# KiCad board antmicro-jetson-agx-csi-adapter.kicad_pcb (continued)
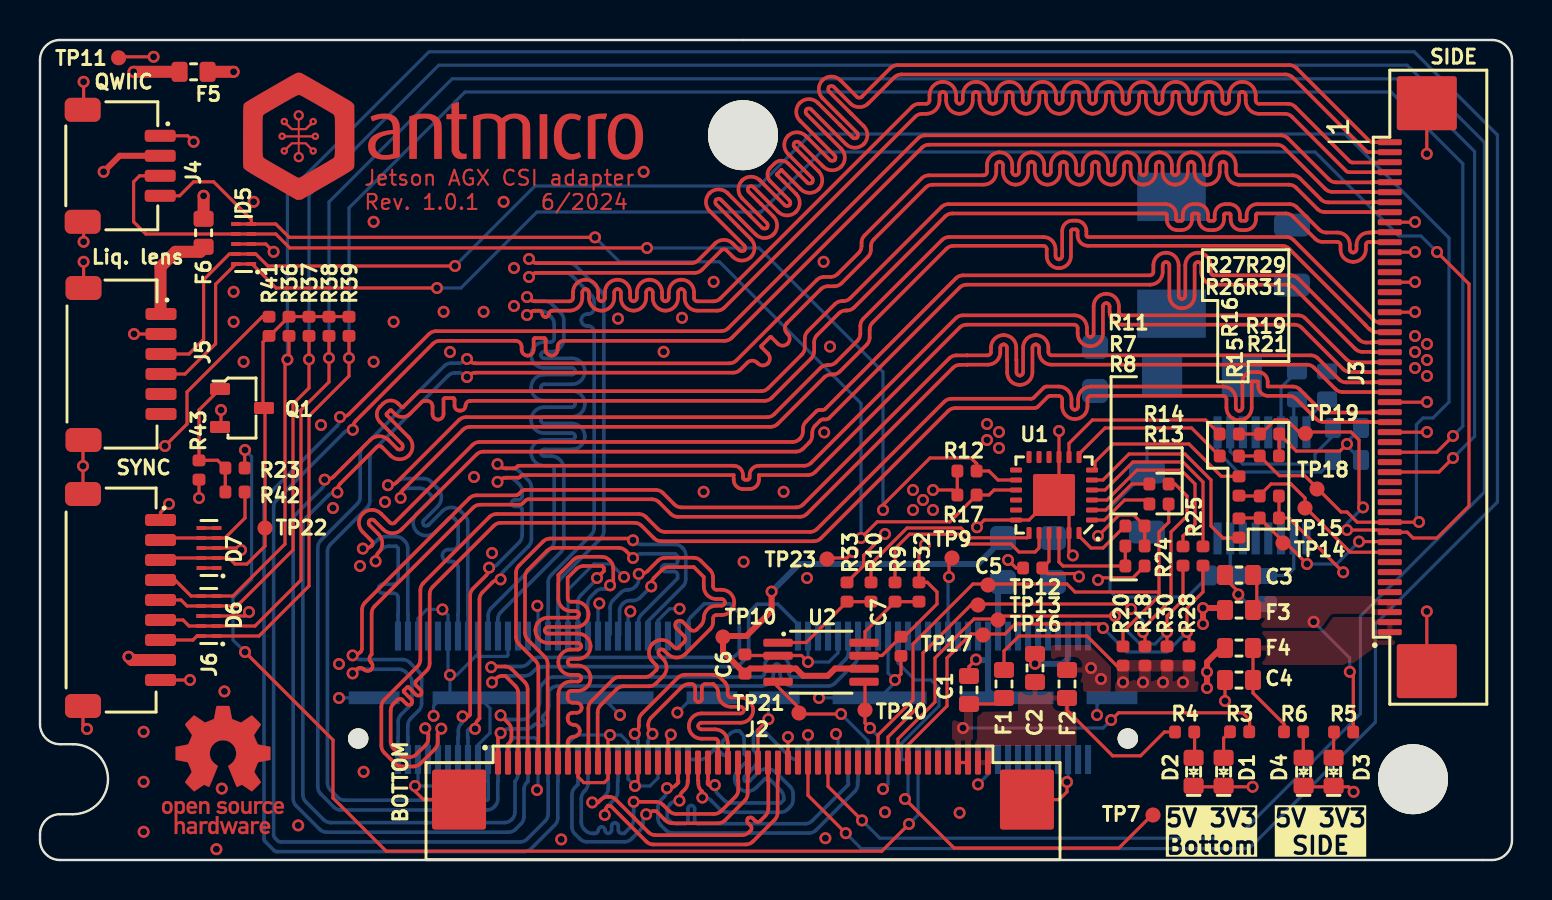
[diagram p0: board, top side]
## Routing (per net, layer and track width the routed paths; a pad name or vN(x,y) marks a point on that pad's centre or on a via; arc(x,y) is an arc through that point) (continued)
/Interface/CSI1_D0_P: length 73.5
  Top w0.182: J3.22 66.59,25.39 66.57,25.41 66.12,25.41 arc(65.93,25.45) 65.77,25.55 62.7,28.62 arc(62.54,28.73) 62.35,28.77 58.69,28.77 arc(58.25,28.95) 58.06,29.4 58.06,29.73 arc(58.01,29.85) 57.9,29.9 arc(57.78,29.85) 57.73,29.73 57.73,28.22 arc(57.55,27.77) 57.1,27.58 arc(56.65,27.77) 56.47,28.22 56.47,29.73 arc(56.42,29.85) 56.3,29.9 arc(56.18,29.85) 56.14,29.73 56.14,29.4 arc(55.95,28.95) 55.5,28.77 46.33,28.77 arc(46.14,28.73) 45.98,28.62 39.45,22.09 arc(39.39,22.05) 39.31,22.03 39.15,22.03 arc(39.08,22.02) 39.01,21.97 38.76,21.72 arc(38.65,21.56) 38.61,21.37 38.61,21.23 arc(38.57,21.04) 38.47,20.88 38.15,20.57 arc(37.99,20.46) 37.8,20.42 22.18,20.42 arc(21.99,20.38) 21.82,20.27 18.08,16.53 arc(17.62,16.34) 17.16,16.53 16.71,16.98 arc(16.59,17.03) 16.48,16.98 arc(16.43,16.86) 16.48,16.74 16.93,16.29 arc(17.12,15.83) 16.93,15.38 arc(16.82,15.21) 16.78,15.02 v1(16.78,14.93)
  Bottom w0.182: J1.2 17.9,12.28 17.91,12.29 17.91,13.11 arc(17.84,13.27) 17.68,13.34 17.14,13.34 arc(16.99,13.4) 16.92,13.56 arc(16.99,13.72) 17.14,13.79 17.68,13.79 arc(17.84,13.85) 17.91,14.01 17.91,15.59 17.81,15.69 17.45,15.69 arc(17.26,15.65) 17.09,15.54 16.93,15.38 arc(16.82,15.21) 16.78,15.02 v1(16.78,14.93)
/Interface/CSI1_D1_N: length 73.4
  Top w0.182: v1(17.4,18.74) 17.48,18.74 arc(17.68,18.78) 17.84,18.89 20.95,21.99 arc(21.11,22.1) 21.3,22.14 36.35,22.14 arc(36.55,22.18) 36.71,22.29 39.02,24.6 arc(39.18,24.7) 39.37,24.74 39.45,24.74 arc(39.64,24.78) 39.8,24.89 40.87,25.96 arc(40.98,26.12) 41.02,26.31 41.02,26.71 arc(41.06,26.9) 41.16,27.06 45.1,31 arc(45.27,31.11) 45.46,31.15 50.17,31.15 arc(50.6,30.97) 50.78,30.54 50.78,30.2 arc(50.82,30.08) 50.94,30.03 arc(51.06,30.08) 51.11,30.2 51.11,31.45 arc(51.26,31.82) 51.63,31.97 51.8,31.97 arc(52.17,31.82) 52.32,31.45 52.32,31.23 arc(52.34,31.17) 52.4,31.15 62.32,31.15 arc(62.51,31.11) 62.68,31 66.66,27.02 arc(66.82,26.91) 67.01,26.87
  Bottom w0.182: v1(17.4,18.74) 17.48,18.74 arc(17.68,18.78) 17.84,18.89 17.88,18.92 arc(18.04,19.03) 18.23,19.07 19.19,19.07 arc(19.38,19.03) 19.55,18.92 19.88,18.59 arc(20.07,18.13) 19.88,17.67 19.19,16.98 arc(19.14,16.87) 19.19,16.75 arc(19.31,16.7) 19.42,16.75 20.12,17.44 arc(20.57,17.63) 21.03,17.44 21.24,17.23 arc(21.35,17.07) 21.39,16.87 21.39,12.29 21.4,12.28 J1.16
/Interface/CSI1_D1_P: length 73.4
  Top w0.182: J3.20 66.84,26.39 arc(66.65,26.43) 66.48,26.54 66.48,26.54 66.47,26.54 66.27,26.74 66.27,26.75 62.46,30.56 arc(62.29,30.67) 62.1,30.71 52.4,30.71 arc(52.03,30.86) 51.88,31.23 51.88,31.45 arc(51.86,31.51) 51.8,31.53 51.63,31.53 arc(51.57,31.51) 51.55,31.45 51.55,30.2 arc(51.37,29.77) 50.94,29.59 arc(50.51,29.77) 50.34,30.2 50.34,30.54 arc(50.29,30.66) 50.17,30.71 45.68,30.71 arc(45.49,30.67) 45.32,30.56 41.63,26.87 arc(41.52,26.71) 41.48,26.52 41.48,26.12 arc(41.44,25.93) 41.34,25.77 39.99,24.42 arc(39.83,24.32) 39.64,24.28 39.56,24.28 arc(39.37,24.24) 39.21,24.13 36.88,21.81 arc(36.72,21.7) 36.53,21.66 21.5,21.66 arc(21.31,21.62) 21.14,21.51 18.18,18.55 arc(18.07,18.38) 18.03,18.19 v1(18.03,18.1)
  Bottom w0.182: v1(18.03,18.1) 18.03,18.4 18.07,18.44 arc(18.24,18.55) 18.43,18.59 18.99,18.59 arc(19.18,18.55) 19.35,18.44 19.54,18.25 arc(19.59,18.13) 19.54,18.01 18.85,17.32 arc(18.66,16.87) 18.85,16.41 arc(19.31,16.22) 19.77,16.41 20.46,17.1 arc(20.57,17.15) 20.69,17.1 20.76,17.03 arc(20.87,16.87) 20.91,16.67 20.91,15.82 arc(20.82,15.61) 20.61,15.52 20.42,15.52 arc(20.21,15.43) 20.12,15.22 arc(20.21,15.01) 20.42,14.92 20.61,14.92 arc(20.82,14.83) 20.91,14.62 20.91,12.29 20.9,12.28 J1.14
/Interface/CSI2_CLK_N: length 100.5
  Top w0.182: v1(14.23,19.02) 14.32,19.02 arc(14.51,19.06) 14.67,19.16 16.51,21 arc(16.97,21.19) 17.43,21 17.86,20.56 arc(17.98,20.52) 18.1,20.56 arc(18.15,20.68) 18.1,20.8 16.99,21.9 arc(16.84,22.28) 16.99,22.66 17.15,22.82 arc(17.53,22.98) 17.91,22.82 18.08,22.65 arc(18.12,22.63) 18.16,22.65 18.89,23.38 arc(18.96,23.43) 19.03,23.44 36.05,23.44 arc(36.25,23.48) 36.41,23.59 38.09,25.27 arc(38.2,25.44) 38.24,25.63 38.24,26.08 arc(38.28,26.27) 38.39,26.44 39.75,27.8 arc(39.91,27.9) 40.1,27.94 40.16,27.94 arc(40.35,27.98) 40.51,28.09 45.07,32.65 arc(45.23,32.75) 45.42,32.79 56.27,32.79 arc(56.65,32.64) 56.81,32.26 56.81,32.03 arc(56.83,31.98) 56.87,31.96 57.07,31.96 arc(57.12,31.98) 57.14,32.03 57.14,32.26 arc(57.29,32.64) 57.67,32.79 57.87,32.79 arc(58.25,32.64) 58.4,32.26 58.4,32.03 arc(58.42,31.98) 58.47,31.96 58.67,31.96 arc(58.71,31.98) 58.73,32.03 58.73,32.26 arc(58.89,32.64) 59.27,32.79 59.47,32.79 arc(59.84,32.64) 60,32.26 60,32.03 arc(60.02,31.98) 60.06,31.96 60.26,31.96 arc(60.31,31.98) 60.33,32.03 60.33,32.26 arc(60.49,32.64) 60.86,32.79 62.48,32.79 arc(62.67,32.75) 62.83,32.65 63.96,31.52 arc(64.12,31.41) 64.31,31.37 64.88,31.37 arc(65.31,31.19) 65.49,30.76 65.49,30.52 arc(65.54,30.42) 65.64,30.37 65.68,30.37 arc(65.78,30.42) 65.82,30.52 65.82,30.76 arc(66.01,31.19) 66.44,31.37 66.57,31.37 66.59,31.39 J3.10
  Bottom w0.182: v1(14.23,19.02) 14.23,18.93 arc(14.19,18.74) 14.09,18.58 12.81,17.3 arc(12.7,17.13) 12.66,16.94 12.66,3.07 arc(12.7,2.88) 12.81,2.71 13.98,1.54 arc(14.14,1.43) 14.34,1.39 23.42,1.39 arc(23.62,1.43) 23.78,1.54 24.05,1.81 arc(24.16,1.97) 24.2,2.17 24.2,3.53 arc(24.24,3.72) 24.35,3.88 24.4,3.94 J1.27
/Interface/CSI2_CLK_P: length 100.5
  Top w0.182: J3.11 66.59,30.89 66.57,30.91 66.44,30.91 arc(66.33,30.86) 66.29,30.76 66.29,30.52 arc(66.11,30.09) 65.68,29.91 65.64,29.91 arc(65.21,30.09) 65.03,30.52 65.03,30.76 arc(64.98,30.86) 64.88,30.91 64.12,30.91 arc(63.93,30.95) 63.77,31.05 62.64,32.18 arc(62.48,32.29) 62.29,32.33 60.86,32.33 arc(60.82,32.31) 60.8,32.26 60.8,32.03 arc(60.64,31.65) 60.26,31.49 60.06,31.49 arc(59.69,31.65) 59.53,32.03 59.53,32.26 arc(59.51,32.31) 59.47,32.33 59.27,32.33 arc(59.22,32.31) 59.2,32.26 59.2,32.03 arc(59.04,31.65) 58.67,31.49 58.47,31.49 arc(58.09,31.65) 57.94,32.03 57.94,32.26 arc(57.92,32.31) 57.87,32.33 57.67,32.33 arc(57.62,32.31) 57.6,32.26 57.6,32.03 arc(57.45,31.65) 57.07,31.49 56.87,31.49 arc(56.5,31.65) 56.34,32.03 56.34,32.26 arc(56.32,32.31) 56.27,32.33 45.61,32.33 arc(45.42,32.29) 45.26,32.18 40.7,27.62 arc(40.54,27.52) 40.35,27.48 40.29,27.48 arc(40.1,27.44) 39.94,27.33 38.85,26.24 arc(38.74,26.08) 38.71,25.89 38.71,25.43 arc(38.67,25.24) 38.56,25.08 36.58,23.11 arc(36.42,23) 36.23,22.96 21.52,22.96 arc(21.35,22.89) 21.28,22.71 arc(21.2,22.54) 21.03,22.47 20.97,22.47 arc(20.8,22.54) 20.73,22.71 20.73,23.03 arc(20.71,23.08) 20.66,23.1 20.25,23.1 arc(20.2,23.08) 20.18,23.03 20.18,22.29 arc(20.1,22.1) 19.9,22.02 arc(19.71,22.1) 19.63,22.29 19.63,22.68 arc(19.55,22.88) 19.35,22.96 19.23,22.96 arc(19.16,22.94) 19.09,22.9 18.5,22.31 arc(18.12,22.15) 17.74,22.31 17.57,22.48 arc(17.53,22.49) 17.49,22.48 17.33,22.32 arc(17.32,22.28) 17.33,22.24 18.44,21.14 arc(18.63,20.68) 18.44,20.22 arc(17.98,20.03) 17.52,20.22 17.09,20.66 arc(16.97,20.71) 16.85,20.66 15.01,18.82 arc(14.91,18.66) 14.87,18.47 v1(14.87,18.38)
  Bottom w0.182: v1(14.87,18.38) 14.78,18.38 arc(14.59,18.34) 14.43,18.24 13.29,17.1 arc(13.18,16.93) 13.14,16.74 13.14,3.27 arc(13.18,3.08) 13.29,2.91 14.18,2.02 arc(14.35,1.91) 14.54,1.87 23.22,1.87 arc(23.41,1.91) 23.58,2.02 23.6,2.04 arc(23.71,2.21) 23.75,2.4 23.75,3.93 23.75,3.93 arc(23.86,4.09) 23.9,4.28 J1.25
/Interface/CSI2_D0_N: length 100.4
  Top w0.182: J3.7 66.59,32.89 66.58,32.88 64.41,32.88 arc(64.21,32.92) 64.05,33.03 62.99,34.09 arc(62.83,34.19) 62.64,34.23 59.95,34.23 arc(59.83,34.28) 59.78,34.4 59.78,34.75 arc(59.6,35.2) 59.15,35.38 arc(58.71,35.2) 58.52,34.75 58.52,34.4 arc(58.47,34.28) 58.36,34.23 arc(58.24,34.28) 58.19,34.4 58.19,34.75 arc(58,35.2) 57.56,35.38 arc(57.11,35.2) 56.93,34.75 56.93,34.4 arc(56.88,34.28) 56.76,34.23 arc(56.64,34.28) 56.59,34.4 56.59,34.75 arc(56.41,35.2) 55.96,35.38 arc(55.51,35.2) 55.33,34.75 55.33,34.4 arc(55.28,34.28) 55.16,34.23 arc(55.05,34.28) 55,34.4 55,34.75 arc(54.81,35.2) 54.37,35.38 arc(53.92,35.2) 53.73,34.75 53.73,34.4 arc(53.68,34.28) 53.57,34.23 arc(53.45,34.28) 53.4,34.4 53.4,34.75 arc(53.22,35.2) 52.77,35.38 arc(52.32,35.2) 52.14,34.75 52.14,34.4 arc(52.09,34.28) 51.97,34.23 arc(51.85,34.28) 51.81,34.4 51.81,34.75 arc(51.62,35.2) 51.17,35.38 arc(50.73,35.2) 50.54,34.75 50.54,34.4 arc(50.49,34.28) 50.38,34.23 arc(50.26,34.28) 50.21,34.4 50.21,34.75 arc(50.02,35.2) 49.58,35.38 arc(49.13,35.2) 48.94,34.75 48.94,34.4 arc(48.9,34.28) 48.78,34.23 arc(48.66,34.28) 48.61,34.4 48.61,34.75 arc(48.43,35.2) 47.98,35.38 arc(47.53,35.2) 47.35,34.75 47.35,34.4 arc(47.3,34.28) 47.18,34.23 44.44,34.23 arc(44.25,34.19) 44.09,34.09 41.22,31.22 arc(41.12,31.06) 41.08,30.87 41.08,30.7 arc(41.04,30.51) 40.93,30.35 39.88,29.3 arc(39.72,29.19) 39.53,29.15 39.2,29.15 arc(39.01,29.11) 38.85,29.01 34.82,24.98 arc(34.66,24.87) 34.47,24.83 21.77,24.83 arc(21.58,24.87) 21.42,24.98 v1(21.35,25.05)
  Bottom w0.182: J1.21 22.9,3.94 22.89,3.93 22.89,3.05 arc(22.85,2.85) 22.74,2.69 22.7,2.65 arc(22.54,2.54) 22.34,2.5 15.05,2.5 arc(14.85,2.54) 14.69,2.65 14.04,3.3 arc(13.93,3.47) 13.89,3.66 13.89,15.62 arc(13.93,15.81) 14.04,15.98 15.86,17.8 arc(15.97,17.97) 16.01,18.16 16.01,20.29 arc(16.05,20.48) 16.16,20.65 20.2,24.69 arc(20.37,24.8) 20.56,24.84 20.93,24.84 arc(21.13,24.88) 21.29,24.99 v1(21.35,25.05)
/Interface/CSI2_D0_P: length 100.3
  Top w0.182: J3.8 66.59,32.39 66.58,32.4 64.23,32.4 arc(64.04,32.44) 63.88,32.55 62.8,33.62 arc(62.64,33.73) 62.45,33.77 59.95,33.77 arc(59.5,33.95) 59.32,34.4 59.32,34.75 arc(59.27,34.87) 59.15,34.92 arc(59.04,34.87) 58.99,34.75 58.99,34.4 arc(58.8,33.95) 58.36,33.77 arc(57.91,33.95) 57.72,34.4 57.72,34.75 arc(57.67,34.87) 57.56,34.92 arc(57.44,34.87) 57.39,34.75 57.39,34.4 arc(57.21,33.95) 56.76,33.77 arc(56.31,33.95) 56.13,34.4 56.13,34.75 arc(56.08,34.87) 55.96,34.92 arc(55.84,34.87) 55.8,34.75 55.8,34.4 arc(55.61,33.95) 55.16,33.77 arc(54.72,33.95) 54.53,34.4 54.53,34.75 arc(54.48,34.87) 54.37,34.92 arc(54.25,34.87) 54.2,34.75 54.2,34.4 arc(54.01,33.95) 53.57,33.77 arc(53.12,33.95) 52.94,34.4 52.94,34.75 arc(52.89,34.87) 52.77,34.92 arc(52.65,34.87) 52.6,34.75 52.6,34.4 arc(52.42,33.95) 51.97,33.77 arc(51.52,33.95) 51.34,34.4 51.34,34.75 arc(51.29,34.87) 51.17,34.92 arc(51.06,34.87) 51.01,34.75 51.01,34.4 arc(50.82,33.95) 50.38,33.77 arc(49.93,33.95) 49.74,34.4 49.74,34.75 arc(49.69,34.87) 49.58,34.92 arc(49.46,34.87) 49.41,34.75 49.41,34.4 arc(49.23,33.95) 48.78,33.77 arc(48.33,33.95) 48.15,34.4 48.15,34.75 arc(48.1,34.87) 47.98,34.92 arc(47.86,34.87) 47.81,34.75 47.81,34.4 arc(47.63,33.95) 47.18,33.77 44.63,33.77 arc(44.44,33.73) 44.28,33.62 41.69,31.03 arc(41.58,30.87) 41.54,30.68 41.54,30.51 arc(41.5,30.32) 41.4,30.16 40.07,28.83 arc(39.91,28.73) 39.72,28.69 39.39,28.69 arc(39.2,28.65) 39.04,28.54 37.34,26.85 arc(37.24,26.6) 37.34,26.35 37.38,26.31 arc(37.48,26.07) 37.38,25.82 arc(37.13,25.72) 36.89,25.82 36.57,26.14 arc(36.53,26.15) 36.5,26.14 36.07,25.71 arc(36.06,25.68) 36.07,25.64 36.39,25.32 arc(36.49,25.08) 36.39,24.83 arc(36.14,24.73) 35.9,24.83 35.86,24.87 arc(35.61,24.97) 35.36,24.87 35.01,24.51 arc(34.85,24.41) 34.66,24.37 21.77,24.37 arc(21.58,24.33) 21.42,24.22 v1(21.35,24.15)
  Bottom w0.182: J1.19 22.4,3.94 22.41,3.93 22.41,3.04 22.36,2.99 15.24,2.99 arc(15.05,3.03) 14.88,3.14 14.52,3.5 arc(14.41,3.67) 14.37,3.86 14.37,15.42 arc(14.41,15.61) 14.52,15.78 16.34,17.6 arc(16.45,17.77) 16.49,17.96 16.49,20.09 arc(16.53,20.28) 16.64,20.45 20.4,24.21 arc(20.57,24.32) 20.76,24.36 20.93,24.36 arc(21.13,24.32) 21.29,24.21 v1(21.35,24.15)
/Interface/CSI2_D1_N: length 100.5
  Top w0.182: v1(15,22.15) 15.09,22.15 arc(15.28,22.19) 15.44,22.29 19.44,26.29 arc(19.61,26.4) 19.8,26.44 34.05,26.44 arc(34.25,26.48) 34.41,26.59 43.91,36.09 arc(44.07,36.19) 44.26,36.23 62.04,36.23 arc(62.23,36.19) 62.39,36.09 64.45,34.03 arc(64.61,33.92) 64.81,33.88 66.58,33.88 66.59,33.89 J3.5
  Bottom w0.182: J1.33 25.9,3.94 25.89,3.93 25.89,2.11 arc(25.85,1.91) 25.74,1.75 24.56,0.57 arc(24.39,0.46) 24.2,0.42 11.84,0.42 arc(11.77,0.43) 11.7,0.48 11.26,0.92 arc(11.21,0.99) 11.2,1.06 11.2,17.84 arc(11.24,18.03) 11.35,18.2 14.86,21.71 arc(14.96,21.87) 15,22.06 v1(15,22.15)
/Interface/CSI2_D1_P: length 100.5
  Top w0.182: v1(15.64,21.51) 15.64,21.6 arc(15.68,21.79) 15.78,21.95 19.64,25.81 arc(19.81,25.92) 20,25.96 23.78,25.96 arc(23.99,25.87) 24.08,25.66 24.08,25.52 arc(24.17,25.31) 24.38,25.22 arc(24.59,25.31) 24.68,25.52 24.68,26.03 arc(24.7,26.08) 24.75,26.1 25.21,26.1 arc(25.26,26.08) 25.28,26.03 25.28,25.52 arc(25.37,25.31) 25.58,25.22 arc(25.79,25.31) 25.88,25.52 25.88,25.66 arc(25.97,25.87) 26.18,25.96 34.23,25.96 arc(34.42,26) 34.58,26.11 44.1,35.62 arc(44.26,35.73) 44.45,35.77 61.85,35.77 arc(62.04,35.73) 62.2,35.62 64.27,33.55 arc(64.43,33.45) 64.62,33.41 66.57,33.41 66.59,33.39 J3.6
  Bottom w0.182: J1.31 25.4,3.94 25.41,3.93 25.41,2.31 arc(25.37,2.11) 25.26,1.95 24.36,1.05 arc(24.19,0.94) 24,0.9 12.03,0.9 arc(11.96,0.92) 11.89,0.96 11.74,1.11 arc(11.7,1.17) 11.68,1.25 11.68,2.33 11.68,17.64 arc(11.72,17.83) 11.83,18 15.2,21.37 arc(15.36,21.47) 15.55,21.51 v1(15.64,21.51)
/Interface/CSI3_D0_N: length 100.4
  Top w0.182: 67.02,34.87 65.63,34.87 arc(65.55,34.89) 65.49,34.93 62.76,37.66 arc(62.59,37.77) 62.4,37.81 60.95,37.81 arc(60.83,37.86) 60.78,37.98 60.78,38.24 arc(60.59,38.71) 60.12,38.91 arc(59.65,38.71) 59.45,38.24 59.45,37.98 arc(59.4,37.86) 59.29,37.81 arc(59.17,37.86) 59.12,37.98 59.12,38.24 arc(58.92,38.71) 58.45,38.91 arc(57.98,38.71) 57.79,38.24 57.79,37.98 arc(57.74,37.86) 57.62,37.81 arc(57.5,37.86) 57.46,37.98 57.46,38.24 arc(57.26,38.71) 56.79,38.91 arc(56.32,38.71) 56.12,38.24 56.12,37.98 arc(56.08,37.86) 55.96,37.81 arc(55.84,37.86) 55.79,37.98 55.79,38.24 arc(55.6,38.71) 55.13,38.91 arc(54.66,38.71) 54.46,38.24 54.46,37.98 arc(54.41,37.86) 54.29,37.81 arc(54.18,37.86) 54.13,37.98 54.13,38.24 arc(53.93,38.71) 53.46,38.91 arc(52.99,38.71) 52.8,38.24 52.8,37.98 arc(52.75,37.86) 52.63,37.81 arc(52.51,37.86) 52.46,37.98 52.46,38.24 arc(52.27,38.71) 51.8,38.91 arc(51.33,38.71) 51.13,38.24 51.13,37.98 arc(51.08,37.86) 50.97,37.81 arc(50.85,37.86) 50.8,37.98 50.8,38.24 arc(50.6,38.71) 50.13,38.91 arc(49.66,38.71) 49.47,38.24 49.47,37.98 arc(49.42,37.86) 49.3,37.81 arc(49.18,37.86) 49.14,37.98 49.14,38.24 arc(48.94,38.71) 48.47,38.91 arc(48,38.71) 47.8,38.24 47.8,37.98 arc(47.76,37.86) 47.64,37.81 arc(47.52,37.86) 47.47,37.98 47.47,38.24 arc(47.28,38.71) 46.81,38.91 arc(46.34,38.71) 46.14,38.24 46.14,37.98 arc(46.09,37.86) 45.97,37.81 arc(45.86,37.86) 45.81,37.98 45.81,38.24 arc(45.61,38.71) 45.14,38.91 arc(44.67,38.71) 44.48,38.24 44.48,37.98 arc(44.43,37.86) 44.31,37.81 43.96,37.81 arc(43.77,37.77) 43.6,37.66 34.02,28.08 arc(33.86,27.97) 33.67,27.93 32.87,27.93 arc(32.75,27.98) 32.7,28.1 32.7,28.38 arc(32.52,28.83) 32.07,29.02 arc(31.62,28.83) 31.44,28.38 31.44,28.1 arc(31.39,27.98) 31.27,27.93 arc(31.15,27.98) 31.11,28.1 31.11,28.38 arc(30.92,28.83) 30.47,29.02 arc(30.03,28.83) 29.84,28.38 29.84,28.1 arc(29.79,27.98) 29.68,27.93 arc(29.56,27.98) 29.51,28.1 29.51,28.38 arc(29.32,28.83) 28.88,29.02 arc(28.43,28.83) 28.25,28.38 28.25,28.1 arc(28.2,27.98) 28.08,27.93 arc(27.96,27.98) 27.91,28.1 27.91,28.38 arc(27.73,28.83) 27.28,29.02 arc(26.83,28.83) 26.65,28.38 26.65,28.1 arc(26.6,27.98) 26.48,27.93 24.77,27.93 arc(24.58,27.97) 24.42,28.08 v1(24.35,28.15)
  Bottom w0.182: 22.89,11.78 22.89,12.03 arc(22.93,12.22) 23.04,12.39 26.04,15.39 arc(26.15,15.56) 26.19,15.75 26.19,19.55 arc(26,20.01) 25.54,20.2 25.21,20.2 arc(25.09,20.25) 25.04,20.36 arc(25.09,20.48) 25.21,20.53 26.6,20.53 arc(27.05,20.72) 27.24,21.18 27.24,21.18 arc(27.05,21.64) 26.6,21.83 25.21,21.83 arc(25.09,21.88) 25.04,21.99 arc(25.09,22.11) 25.21,22.16 26.6,22.16 arc(27.05,22.35) 27.24,22.81 27.24,22.81 arc(27.05,23.27) 26.6,23.45 25.21,23.45 arc(25.09,23.5) 25.04,23.62 arc(25.09,23.74) 25.21,23.79 26.6,23.79 arc(27.05,23.98) 27.24,24.43 27.24,24.44 arc(27.05,24.89) 26.6,25.08 25.21,25.08 arc(25.09,25.13) 25.04,25.25 arc(25.09,25.37) 25.21,25.42 25.54,25.42 arc(26,25.6) 26.19,26.06 26.19,26.99 arc(26.15,27.18) 26.04,27.35 25.6,27.79 arc(25.43,27.9) 25.24,27.94 24.77,27.94 arc(24.57,27.98) 24.41,28.09 v1(24.35,28.15)
/Interface/CSI3_D0_P: length 100.4
  Top w0.182: v1(24.35,27.25) 24.42,27.32 arc(24.58,27.43) 24.77,27.47 24.96,27.47 arc(25.07,27.42) 25.12,27.31 arc(25.16,27.19) 25.28,27.15 25.29,27.15 arc(25.4,27.19) 25.45,27.31 arc(25.5,27.42) 25.61,27.47 26.48,27.47 arc(26.93,27.65) 27.12,28.1 27.12,28.38 arc(27.16,28.5) 27.28,28.55 arc(27.4,28.5) 27.45,28.38 27.45,28.1 arc(27.63,27.65) 28.08,27.47 arc(28.53,27.65) 28.71,28.1 28.71,28.38 arc(28.76,28.5) 28.88,28.55 arc(28.99,28.5) 29.04,28.38 29.04,28.1 arc(29.23,27.65) 29.68,27.47 arc(30.12,27.65) 30.31,28.1 30.31,28.38 arc(30.36,28.5) 30.47,28.55 arc(30.59,28.5) 30.64,28.38 30.64,28.1 arc(30.82,27.65) 31.27,27.47 arc(31.72,27.65) 31.9,28.1 31.9,28.38 arc(31.95,28.5) 32.07,28.55 arc(32.19,28.5) 32.24,28.38 32.24,28.1 arc(32.42,27.65) 32.87,27.47 33.86,27.47 arc(34.05,27.51) 34.21,27.61 43.76,37.16 arc(43.93,37.27) 44.12,37.31 44.31,37.31 arc(44.78,37.51) 44.98,37.98 44.98,38.24 arc(45.02,38.36) 45.14,38.41 arc(45.26,38.36) 45.31,38.24 45.31,37.98 arc(45.5,37.51) 45.97,37.31 arc(46.44,37.51) 46.64,37.98 46.64,38.24 arc(46.69,38.36) 46.81,38.41 arc(46.92,38.36) 46.97,38.24 46.97,37.98 arc(47.17,37.51) 47.64,37.31 arc(48.11,37.51) 48.3,37.98 48.3,38.24 arc(48.35,38.36) 48.47,38.41 arc(48.59,38.36) 48.64,38.24 48.64,37.98 arc(48.83,37.51) 49.3,37.31 arc(49.77,37.51) 49.97,37.98 49.97,38.24 arc(50.02,38.36) 50.13,38.41 arc(50.25,38.36) 50.3,38.24 50.3,37.98 arc(50.5,37.51) 50.97,37.31 arc(51.44,37.51) 51.63,37.98 51.63,38.24 arc(51.68,38.36) 51.8,38.41 arc(51.92,38.36) 51.96,38.24 51.96,37.98 arc(52.16,37.51) 52.63,37.31 arc(53.1,37.51) 53.3,37.98 53.3,38.24 arc(53.34,38.36) 53.46,38.41 arc(53.58,38.36) 53.63,38.24 53.63,37.98 arc(53.82,37.51) 54.29,37.31 arc(54.76,37.51) 54.96,37.98 54.96,38.24 arc(55.01,38.36) 55.13,38.41 arc(55.24,38.36) 55.29,38.24 55.29,37.98 arc(55.49,37.51) 55.96,37.31 arc(56.43,37.51) 56.62,37.98 56.62,38.24 arc(56.67,38.36) 56.79,38.41 arc(56.91,38.36) 56.96,38.24 56.96,37.98 arc(57.15,37.51) 57.62,37.31 arc(58.09,37.51) 58.29,37.98 58.29,38.24 arc(58.34,38.36) 58.45,38.41 arc(58.57,38.36) 58.62,38.24 58.62,37.98 arc(58.82,37.51) 59.29,37.31 arc(59.76,37.51) 59.95,37.98 59.95,38.24 arc(60,38.36) 60.12,38.41 arc(60.24,38.36) 60.28,38.24 60.28,37.98 arc(60.48,37.51) 60.95,37.31 62.24,37.31 arc(62.43,37.27) 62.6,37.16 65.31,34.45 arc(65.38,34.41) 65.45,34.39 J3.4
  Bottom w0.182: v1(24.35,27.25) 24.41,27.31 arc(24.57,27.42) 24.77,27.46 25.04,27.46 arc(25.23,27.42) 25.4,27.31 25.56,27.15 arc(25.67,26.98) 25.71,26.79 25.71,26.06 arc(25.66,25.95) 25.54,25.9 25.21,25.9 arc(24.75,25.71) 24.56,25.25 arc(24.75,24.79) 25.21,24.6 26.6,24.6 arc(26.71,24.55) 26.76,24.44 26.76,24.43 arc(26.71,24.32) 26.6,24.27 25.21,24.27 arc(24.75,24.08) 24.56,23.62 arc(24.75,23.16) 25.21,22.97 26.6,22.97 arc(26.71,22.92) 26.76,22.81 26.76,22.81 arc(26.71,22.69) 26.6,22.64 25.21,22.64 arc(24.75,22.45) 24.56,21.99 arc(24.75,21.53) 25.21,21.34 26.6,21.34 arc(26.71,21.3) 26.76,21.18 26.76,21.18 arc(26.71,21.06) 26.6,21.01 25.21,21.01 arc(24.75,20.82) 24.56,20.36 arc(24.75,19.91) 25.21,19.72 25.54,19.72 arc(25.66,19.67) 25.71,19.55 25.71,15.95 arc(25.67,15.76) 25.56,15.59 22.55,12.59 arc(22.45,12.42) 22.41,12.23 22.41,11.78
/Interface/CSI3_D1_N: length 100.4
  Top w0.182: J3.1 66.61,35.89 arc(66.54,35.91) 66.47,35.95 62.82,39.6 arc(62.66,39.7) 62.47,39.74 42.88,39.74 arc(42.69,39.7) 42.52,39.6 41.08,38.16 arc(40.97,38.11) 40.85,38.16 40.02,38.99 arc(39.57,39.17) 39.12,38.99 arc(38.94,38.54) 39.12,38.09 40.86,36.36 arc(40.91,36.24) 40.86,36.13 arc(40.74,36.08) 40.62,36.13 38.89,37.86 arc(38.44,38.05) 38,37.86 arc(37.81,37.41) 38,36.97 39.73,35.23 arc(39.78,35.12) 39.73,35 arc(39.61,34.95) 39.49,35 38.29,36.2 arc(37.84,36.39) 37.4,36.2 arc(37.21,35.75) 37.4,35.31 38.6,34.1 arc(38.65,33.99) 38.6,33.87 arc(38.48,33.82) 38.36,33.87 37.41,34.83 arc(37.07,34.97) 36.73,34.83 36.51,34.61 arc(36.37,34.27) 36.51,33.93 37.47,32.98 arc(37.52,32.86) 37.47,32.74 arc(37.35,32.69) 37.24,32.74 36,33.98 arc(35.55,34.16) 35.1,33.98 arc(34.92,33.53) 35.1,33.09 36.34,31.85 arc(36.39,31.73) 36.34,31.61 arc(36.23,31.56) 36.11,31.61 34.38,33.35 arc(33.93,33.53) 33.48,33.35 arc(33.3,32.9) 33.48,32.45 35.21,30.72 arc(35.26,30.6) 35.21,30.48 arc(35.1,30.44) 34.98,30.48 34.64,30.82 arc(34.2,31.01) 33.75,30.82 32.92,29.99 arc(32.75,29.88) 32.56,29.84 24.87,29.84 arc(24.67,29.88) 24.51,29.99 v1(24.45,30.05)
  Bottom w0.182: v1(24.45,30.05) 24.51,29.99 arc(24.67,29.88) 24.87,29.84 26.44,29.84 arc(26.63,29.8) 26.8,29.69 28.04,28.45 arc(28.15,28.28) 28.19,28.09 28.19,16.44 arc(28.15,16.25) 28.04,16.08 26.04,14.08 arc(25.93,13.91) 25.89,13.72 25.89,12.29 25.9,12.28 J1.34
/Interface/CSI3_D1_P: length 100.4
  Top w0.182: J3.2 66.45,35.39 arc(66.38,35.41) 66.31,35.45 62.63,39.13 arc(62.47,39.24) 62.28,39.28 43.07,39.28 arc(42.88,39.24) 42.72,39.13 41.41,37.83 arc(40.97,37.64) 40.52,37.83 39.69,38.66 arc(39.57,38.71) 39.45,38.66 arc(39.4,38.54) 39.45,38.42 41.19,36.69 arc(41.37,36.24) 41.19,35.8 arc(40.74,35.61) 40.29,35.8 38.56,37.53 arc(38.44,37.58) 38.32,37.53 arc(38.28,37.41) 38.32,37.3 40.06,35.56 arc(40.24,35.12) 40.06,34.67 arc(39.61,34.48) 39.16,34.67 37.96,35.87 arc(37.84,35.92) 37.73,35.87 arc(37.68,35.75) 37.73,35.64 38.93,34.43 arc(39.11,33.99) 38.93,33.54 arc(38.48,33.36) 38.04,33.54 37.08,34.5 arc(37.07,34.5) 37.06,34.5 36.84,34.28 arc(36.84,34.27) 36.84,34.26 37.8,33.31 arc(37.99,32.86) 37.8,32.41 arc(37.35,32.23) 36.91,32.41 35.67,33.65 arc(35.55,33.7) 35.43,33.65 arc(35.39,33.53) 35.43,33.42 36.67,32.18 arc(36.86,31.73) 36.67,31.28 arc(36.23,31.1) 35.78,31.28 34.05,33.02 arc(33.93,33.06) 33.81,33.02 arc(33.76,32.9) 33.81,32.78 35.54,31.05 arc(35.73,30.6) 35.54,30.15 arc(35.1,29.97) 34.65,30.15 34.31,30.49 arc(34.2,30.54) 34.08,30.49 33.09,29.51 arc(32.93,29.4) 32.74,29.36 24.87,29.36 arc(24.67,29.32) 24.51,29.21 v1(24.45,29.15)